# KiCad board ddr5-testboard.kicad_pcb (continued)
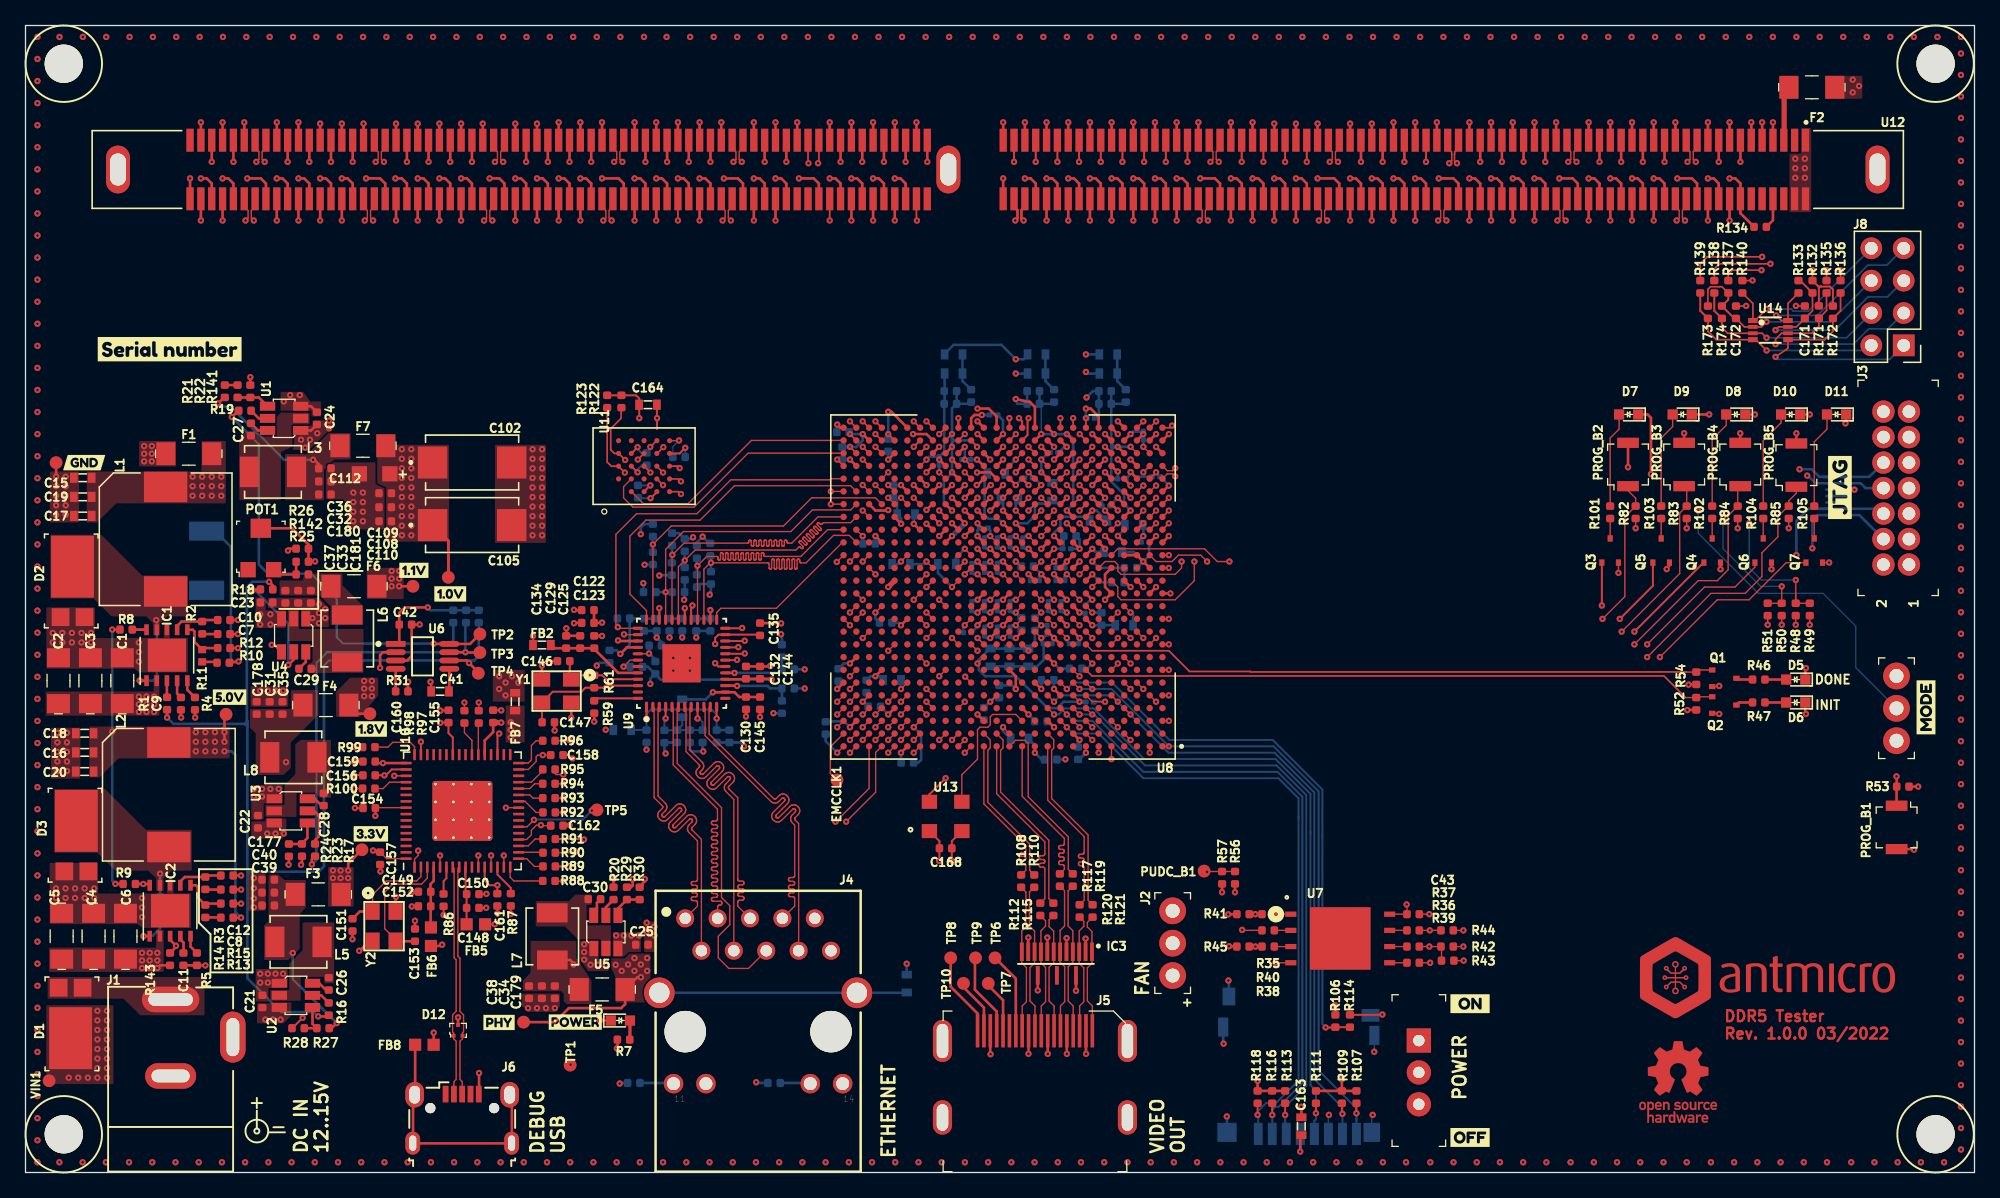
[diagram p0: board, top side]
## Footprints (pads in the part's own frame, mm; a bottom-side part is the same pattern mirrored in y, then rotated) (continued)
R-PDSO-N15
  rect 0.3x1.45 smd: 1(-2.75,-1.75) 2(-2.25,-1.75) 3(-1.75,-1.75) 4(-1.25,-1.75) 5(-0.75,-1.75) 6(-0.25,-1.75) 7(0.25,-1.75) 8(0.75,-1.75) 9(1.25,-1.75) 10(1.75,-1.75) 11(2.25,-1.75) 12(2.75,-1.75) 13(1.5,0.1) 14(0,0.1) 15(-1.5,0.1)
S25FL128SAGNFI000
  rect 0.864x0.406 smd: 1(-3.873,1.905) 2(-3.873,0.635) 3(-3.873,-0.635) 4(-3.873,-1.905) 5(3.873,-1.905) 6(3.873,-0.635) 7(3.873,0.635) 8(3.873,1.905)
  rect 4.75x4.902 smd: 9(0,0)
SC70-3
  rect 0.5x0.4 smd: 1(-0.95,0.65) 2(-0.95,-0.65) 3(0.95,0)
SOT-3
  rect 0.3x0.3 smd: 1(-0.35,-0.425) 2(0.35,-0.425) 3(0,0.425)
SRP4020
  rect 1.5x2.4 smd: 1(-1.85,0) 2(1.85,0)
Switch_Slide_11.6x4mm_EG1218
  rect 1.9x1.9 hole 0.9: 1(0,0)
  round 1.9 hole 0.9: 2(2.5,0) 3(5,0)
Switch_Tactile_SMD_B3U-1000P
  rect 0.8x1.7 smd: 1(-1.7,0) 2(1.7,0)
Testpoint_smd_1mm
  round 1 smd: 1(0,0.051)
TPD6E05U06
  rect 0.2x0.5 smd: 5(0.5,-0.625) 8(1.5,-0.625) 8(1.5,0.625) 9(1,-0.625) 9(1,0.625) 10(0.5,0.625) 11(0,-0.625) 11(0,0.625) 12(-0.5,-0.625) 12(-0.5,0.625) 13(-1,-0.625) 13(-1,0.625) 14(-1.5,-0.625) 14(-1.5,0.625)
Trimpot_3.8mmx3.6mm_TC33X-2-103E
  rect 1.2x1.2 smd: 1(-1,-1.8) 3(1,-1.8)
  rect 1.6x1.5 smd: 2(0,1.45)
TSOT23-6
  rect 0.7x1.2 smd: 1(-0.95,-1.3) 2(0,-1.3) 3(0.95,-1.3) 4(0.95,1.3) 5(0,1.3) 6(-0.95,1.3)
USB_Micro_B_Female_629105150521
  oval 0.8x0.8 hole 0.8 unplated: (-2.5,0.8) (2.5,0.8)
  rect 0.45x1.3 smd: 1(-1.3,1.9) 2(-0.65,1.9) 3(0,1.9) 4(0.65,1.9) 5(1.3,1.9)
  oval 1.15x1.8 hole 0.55x1.2: 6(-3.875,-1.95) 6(3.875,-1.95)
  oval 1.45x2 hole 0.85x1.4: 6(-3.725,1.85) 6(3.725,1.85)
VSSOP8-Texas_Instruments-DGK0008A
  rect 1.557x0.458 smd: 1(-2.101,0.975)
  rrect 1.557x0.458 smd: 2(-2.101,0.325) 3(-2.101,-0.325) 4(-2.101,-0.975) 5(2.101,-0.975) 6(2.101,-0.325) 7(2.101,0.325) 8(2.101,0.975)
VSSOP-8
  rect 0.75x0.4 smd: 1(-1.375,0.75) 4(-1.375,-0.75) 5(1.375,-0.75) 8(1.375,0.75)
  rect 0.75x0.3 smd: 2(-1.375,0.25) 3(-1.375,-0.25) 6(1.375,-0.25) 7(1.375,0.25)
WE_7447798720
  rect 2.4x3.4 smd: 1(-4.1,0) 2(4.1,0)
WSON-10_4x4
  rect 0.85x0.356 smd: 1(-2,1.6) 2(-2,0.8) 3(-2,0) 4(-2,-0.8) 5(-2,-1.6) 6(2,-1.6) 7(2,-0.8) 8(2,0) 9(2,0.8) 10(2,1.6)
  rect 2.6x3 smd: 11(0,0)

## Nets
1V0_SYS: 1V0.1 C47.1 C51.1 C55.1 C59.1 C63.1 C66.1 C70.1 C74.1 C78.1 C81.1 C84.1 C88.1 C92.1 C96.1 C100.1 C102.1 C105.1 C108.1 C109.1 C110.1 C112.1 C114.1 C116.1 C118.1 F7.2 R137.2 U8.J9 U8.K8 U8.K10 U8.K12 U8.K14 U8.L9 U8.L13 U8.L15 U8.M8 U8.M14 U8.N9 U8.N13 U8.N15 U8.P14 U8.R13 U8.R15 U8.T12 U8.T14 U8.U13 U8.U15
1V1_SYS: 1V1.1 C49.1 C53.1 C57.1 C61.1 C65.1 C69.1 C73.1 C77.1 C83.1 C87.1 C91.1 C95.1 C98.1 C104.1 F6.2 R124.1 R127.2 R128.1 R131.2 R159.1 R161.2 U8.AA1 U8.AA11 U8.AB8 U8.AB18 U8.AC5 U8.AC15 U8.AD2 U8.AD12 U8.AE9 U8.AE19 U8.AF6 U8.AF16 U8.B18 U8.E19 U8.F16 U8.H20 U8.J17 U8.K24 U8.M18 U8.N25 U8.P22 U8.R19 U8.T16 U8.T26 U8.U3 U8.V10 U8.W7 U8.W17 U8.Y4 U8.Y14
1V2_SYS: C122.1 C123.1 C124.1 C126.1 C130.1 C135.1 C139.1 C142.1 C145.1 F5.2 FB2.2 FB3.2 PHY1.1 U9.14 U9.18 U9.23 U9.26 U9.30 U9.39
1V8_FT: C155.1 C157.1 C159.1 C161.1 FB7.1 U10.12 U10.37 U10.49 U10.64
1V8_SYS: 1V8.1 C48.1 C52.1 C56.1 C60.1 C64.1 C67.1 C71.1 C75.1 C79.1 C82.1 C85.1 C89.1 C93.1 C97.1 C103.1 C106.1 F4.2 FB7.2 U8.E8 U8.L11 U8.M10 U8.M12 U8.P8 U8.P10 U8.R9 U8.T8 U8.T10 U8.U11
3V3_SYS: 3V3.1 C43.1 C44.1 C45.1 C46.1 C50.1 C54.1 C58.1 C62.1 C68.1 C72.1 C76.1 C80.1 C86.1 C90.1 C94.1 C99.1 C101.1 C107.1 C111.1 C113.1 C115.1 C117.1 C119.1 C120.1 C121.1 C127.1 C132.1 C137.1 C141.1 C144.1 C154.1 C156.1 C158.1 C160.1 C162.1 C163.1 C164.1 C165.1 C166.1 C167.1 C168.1 D5.1 D6.1 D7.1 D8.1 D9.1 D10.1 D11.1 F2.1 F3.2 FB1.1 FB5.1 FB6.1 IC3.13 IC3.15 J3.2 J7.4 MODE1.3 PWR1.1 R41.2 R42.1 R44.1 R45.1 R48.2 R50.2 R52.1 R53.1 R54.1 R55.1 R56.1 R58.2 R60.2 R62.2 R63.2 R64.2 R65.2 R66.2 R67.2 R68.2 R69.2 R70.2 R71.2 R72.2 R82.1 R83.1 R84.1 R85.1 R87.1 R106.1 R107.1 R109.1 R111.1 R113.1 R116.1 R118.1 R122.1 R123.1 R132.2 R171.1 R172.1 U7.8 U8.A11 U8.A21 U8.AA21 U8.AC25 U8.AD22 U8.AF26 U8.B8 U8.C15 U8.C25 U8.D12 U8.D22 U8.E9 U8.F26 U8.G13 U8.G23 U8.H10 U8.L7 U8.L21 U8.T6 U8.U23 U8.V20 U8.Y24 U9.16 U9.34 U9.40 U10.20 U10.31 U10.42 U10.50 U10.56 U11.B4 U11.D1 U11.E4 U13.1 U13.4
/Ethernet/AVDDH: C128.1 C133.1 C138.1 FB1.2 U9.1 U9.12
/Ethernet/AVDDL: C131.1 C136.1 C140.1 C143.1 FB3.1 U9.4 U9.9
/Ethernet/AVDDL_PLL: C125.1 C129.1 C134.1 FB2.1 U9.44
/FPGA banks 16-34/GND_: J8.8 R140.1 U14.1
/Supply/VCC_AUX_EN: R17.2 R33.2 TP3.1 U6.7
/Supply/VCC_INT_EN: R19.2 R32.2 TP2.1 U6.8
/Supply/VCC_IO_EN: R1.2 R16.2 R18.2 R20.2 R34.2 TP4.1 U6.6
GND: C1.2 C2.2 C3.2 C4.2 C5.2 C6.2 C7.2 C8.2 C9.2 C10.2 C11.2 C12.2 C15.2 C16.2 C17.2 C18.2 C19.2 C20.2 C21.2 C22.2 C23.2 C24.2 C25.2 C31.2 C32.2 C33.2 C34.2 C35.2 C36.2 C37.2 C38.2 C39.2 C40.2 C41.1 C42.2 C43.2 C44.2 C45.2 C46.2 C47.2 C48.2 C49.2 C50.2 C51.2 C52.2 C53.2 C54.2 C55.2 C56.2 C57.2 C58.2 C59.2 C60.2 C61.2 C62.2 C63.2 C64.2 C65.2 C66.2 C67.2 C68.2 C69.2 C70.2 C71.2 C72.2 C73.2 C74.2 C75.2 C76.2 C77.2 C78.2 C79.2 C80.2 C81.2 C82.2 C83.2 C84.2 C85.2 C86.2 C87.2 C88.2 C89.2 C90.2 C91.2 C92.2 C93.2 C94.2 C95.2 C96.2 C97.2 C98.2 C99.2 C100.2 C101.2 C102.2 C103.2 C104.2 C105.2 C106.2 C107.2 C108.2 C109.2 C110.2 C111.2 C112.2 C113.2 C114.2 C115.2 C116.2 C117.2 C118.2 C119.2 C120.2 C121.2 C122.2 C123.2 C124.2 C125.2 C126.2 C127.2 C128.2 C129.2 C130.2 C131.2 C132.2 C133.2 C134.2 C135.2 C136.2 C137.2 C138.2 C139.2 C140.2 C141.2 C142.2 C143.2 C144.2 C145.2 C146.2 C147.2 C148.2 C149.2 C150.2 C151.2 C152.2 C153.2 C154.2 C155.2 C156.2 C157.2 C158.2 C159.2 C160.2 C161.2 C162.2 C163.2 C164.2 C165.2 C166.2 C167.2 C168.2 C169.2 C170.2 C171.2 C172.2 C173.2 C174.2 C175.2 C176.2 C177.2 C178.2 C179.2 C180.2 C181.2 D2.A D3.A D4.5 D4.10 D12.3 FB4.2 FB8.1 GND1.1 IC1.8 IC1.11 IC2.8 IC2.11 IC3.2 IC3.5 IC3.8 IC3.11 J1.2 J1.3 J2.3 J3.1 J3.3 J3.5 J3.7 J3.9 J3.11 J3.13 J4.10 J5.2 J5.5 J5.8 J5.11 J5.17 J5.SH J6.5 J7.6 J7.10 MODE1.1 PROG_B1.2 PROG_B2.2 PROG_B3.2 PROG_B4.2 PROG_B5.2 Q1.2 Q2.2 Q3.2 Q4.2 Q5.2 Q6.2 Q7.2 R4.1 R5.1 R7.2 R12.2 R15.2 R24.2 R26.2 R28.2 R30.2 R31.2 R43.2 R49.2 R51.2 R57.2 R59.1 R73.2 R74.2 R75.2 R76.2 R77.2 R78.2 R79.2 R80.2 R81.2 R86.1 R125.2 R126.2 R129.2 R130.2 R134.1 R140.2 R141.2 R160.2 R162.2 S1.3 U1.1 U2.1 U3.1 U4.1 U5.1 U6.3 U7.4 U8.A1 U8.A2 U8.A5 U8.A6 U8.A7 U8.A16 U8.A26 U8.AA6 U8.AA16 U8.AA26 U8.AB3 U8.AB13 U8.AB23 U8.AC10 U8.AC20 U8.AD7 U8.AD17 U8.AE4 U8.AE14 U8.AE24 U8.AF1 U8.AF11 U8.AF21 U8.B4 U8.B7 U8.B13 U8.B23 U8.C1 U8.C5 U8.C7 U8.C10 U8.C20 U8.D4 U8.D7 U8.D17 U8.E1 U8.E2 U8.E5 U8.E7 U8.E14 U8.E24 U8.F3 U8.F4 U8.F7 U8.F11 U8.F21 U8.G1 U8.G5 U8.G8 U8.G18 U8.H4 U8.H7 U8.H15 U8.H25 U8.J1 U8.J2 U8.J5 U8.J12 U8.J22 U8.K3 U8.K4 U8.K7 U8.K9 U8.K11 U8.K13 U8.K19 U8.L1 U8.L5 U8.L10 U8.L12 U8.L14 U8.L16 U8.L26 U8.M4 U8.M7 U8.M9 U8.M11 U8.M13 U8.M15 U8.M23 U8.N1 U8.N2 U8.N5 U8.N7 U8.N10 U8.N11 U8.N12 U8.N14 U8.N20 U8.P3 U8.P4 U8.P9 U8.P11 U8.P12 U8.P13 U8.P15 U8.P17 U8.R1 U8.R2 U8.R5 U8.R8 U8.R10 U8.R11 U8.R12 U8.R14 U8.R24 U8.T1 U8.T3 U8.T4 U8.T9 U8.T11 U8.T13 U8.T15 U8.T21 U8.U8 U8.U10 U8.U12 U8.U14 U8.U18 U8.V5 U8.V15 U8.V25 U8.W2 U8.W12 U8.W22 U8.Y9 U8.Y19 U9.29 U9.49 U10.1 U10.5 U10.11 U10.13 U10.15 U10.25 U10.35 U10.47 U10.51 U10.65 U11.B3 U11.C1 U11.E5 U12.6 U12.8 U12.10 U12.13 U12.15 U12.17 U12.19 U12.21 U12.24 U12.26 U12.28 U12.30 U12.32 U12.35 U12.37 U12.39 U12.41 U12.43 U12.46 U12.48 U12.50 U12.52 U12.54 U12.57 U12.59 U12.61 U12.63 U12.65 U12.67 U12.69 U12.71 U12.73 U12.75 U12.77 U12.79 U12.81 U12.83 U12.85 U12.88 U12.90 U12.92 U12.95 U12.97 U12.99 U12.101 U12.103 U12.106 U12.108 U12.110 U12.112 U12.114 U12.117 U12.119 U12.121 U12.123 U12.125 U12.128 U12.130 U12.132 U12.134 U12.136 U12.139 U12.141 U12.143 U12.151 U12.153 U12.155 U12.158 U12.160 U12.162 U12.164 U12.166 U12.169 U12.171 U12.173 U12.175 U12.177 U12.180 U12.182 U12.184 U12.186 U12.188 U12.191 U12.193 U12.195 U12.197 U12.199 U12.202 U12.204 U12.206 U12.208 U12.210 U12.212 U12.214 U12.216 U12.219 U12.222 U12.224 U12.226 U12.228 U12.230 U12.233 U12.235 U12.237 U12.240 U12.242 U12.244 U12.246 U12.248 U12.251 U12.253 U12.255 U12.257 U12.259 U12.262 U12.264 U12.266 U12.268 U12.270 U12.273 U12.275 U12.277 U12.279 U12.281 U12.284 U12.286 U12.288 U13.2 Y1.2 Y1.4 Y2.2 Y2.4
VBUS: J6.1
VCC1V0: C32.1 C36.1 C180.1 F7.1 L3.2 R21.1
VCC1V1: C33.1 C37.1 C181.1 F6.1 L6.2 R25.2
VCC1V2: C34.1 C38.1 C179.1 F5.1 L7.2 R29.1
VCC1V8: C31.1 C35.1 C178.1 F4.1 L8.2 R23.1
VCC3V3: C39.1 C40.1 C177.1 F3.1 L5.2 R27.1
VCC5V0_INT: 5V0.1 C16.1 C18.1 C20.1 C21.1 C22.1 C23.1 C24.1 C25.1 C42.1 J2.1 L2.2 R8.1 R9.1 R13.1 R32.1 R33.1 R34.1 U1.3 U2.3 U3.3 U4.3 U5.3 U6.1
VCC12V0: C15.1 C17.1 C19.1 F1.1 L1.2 R6.2 R10.1
VIN: C1.1 C2.1 C3.1 C4.1 C5.1 C6.1 D1.C IC1.2 IC2.2 R6.1 R143.2 VIN1.1
VIN_BULK: F1.2 U12.1 U12.145 U12.146
VIN_MGMT: F2.2 U12.3
/Ethernet/ETH1_N: J4.2 U9.3
/Ethernet/ETH1_P: J4.1 U9.2
/Ethernet/ETH2_N: J4.6 U9.6
/Ethernet/ETH2_P: J4.3 U9.5
/Ethernet/ETH3_N: J4.5 U9.8
/Ethernet/ETH3_P: J4.4 U9.7
/Ethernet/ETH4_N: J4.8 U9.11
/Ethernet/ETH4_P: J4.7 U9.10
/FPGA banks 16-34/EN: J8.7 R133.1 U14.8
/FPGA banks 16-34/SCL1: J8.4 R138.1 R174.2 U14.3
/FPGA banks 16-34/SCL2: J8.3 R135.2 R171.2 U14.6
/FPGA banks 16-34/SDA1: J8.2 R139.1 R173.2 U14.4
/FPGA banks 16-34/SDA2: J8.1 R136.2 R172.2 U14.5
/FPGA banks 16-34/VREF1: C172.1 J8.6 R137.1 R173.1 R174.1 U14.2
/FPGA banks 16-34/VREF2: C171.1 J8.5 R132.1 R133.2 U14.7
/Supply/SYS_EN: IC2.3 R143.1 S1.2 TP1.1
ALERT_N: U8.AF2 U12.62
AUX_JTAG_RST: R96.2 U8.G25
AUX_JTAG_TCK: R92.2 U8.C24
AUX_JTAG_TDI: R93.2 U8.D24
AUX_JTAG_TDO: R94.2 U8.C26
AUX_JTAG_TMS: R95.2 U8.D25
C_TMDS_CLK_N: IC3.12 J5.12 R108.2
C_TMDS_CLK_P: IC3.10 J5.10 R110.2
C_TMDS_D0_N: IC3.9 J5.9 R112.2
C_TMDS_D0_P: IC3.7 J5.7 R115.2
C_TMDS_D1_N: IC3.6 J5.6 R117.2
C_TMDS_D1_P: IC3.4 J5.4 R119.2
C_TMDS_D2_N: IC3.3 J5.3 R120.2
C_TMDS_D2_P: IC3.1 J5.1 R121.2
CA0_A: U8.V7 U12.66
CA0_B: U8.AF8 U12.76
CA1_A: U8.Y7 U12.211
CA1_B: U8.AE8 U12.221
CA2_A: U8.Y8 U12.68
CA2_B: U8.AF9 U12.78
CA3_A: U8.V8 U12.213
CA3_B: U8.AF10 U12.223
CA4_A: U8.W11 U12.70
CA4_B: U8.AE10 U12.80
CA5_A: U8.V11 U12.215
CA5_B: U8.AD10 U12.225
CA6_A: U8.Y10 U12.72
CA6_B: U8.AE13 U12.82
CB0_A: U8.AB7 U12.51
CB0_B: U8.AD13 U12.96
CB1_A: U8.AC7 U12.53
CB1_B: U8.AA12 U12.98
CB2_A: U8.AA7 U12.196
CB2_B: U8.AC13 U12.241
CB3_A: U8.AB9 U12.198
CB3_B: U8.AA13 U12.243
CB4_A: U8.AE7 U12.58
CB4_B: U8.AB10 U12.89
CB5_A: U8.AA8 U12.60
CB5_B: U8.AD11 U12.91
CB6_A: U8.AF7 U12.203
CB6_B: U8.AA10 U12.234
CB7_A: U8.AA9 U12.205
CB7_B: U8.Y12 U12.236
CCLK: R36.2 R42.2 R43.1 U8.C8
CFGBVS: R55.2 U8.P7
CK_N: U8.AD9 U12.218
CK_P: U8.AC9 U12.217
CS0_A_N: U8.AA2 U12.64
CS0_B_N: U8.AC11 U12.84
CS1_A_N: U8.AA3 U12.209
CS1_B_N: U8.AB11 U12.229
DBG_USB_N: D12.1 J6.2 U10.7
DBG_USB_P: D12.2 J6.3 U10.8
DLBDQ: U8.AB16 U12.86
DLBDQS: U8.AC16 U12.87
DONE: Q1.1 R54.2 U8.J7
DQ0_A: U8.U6 U12.7
DQ0_B: U8.AF14 U12.100
DQ1_A: U8.U5 U12.9
DQ1_B: U8.AE15 U12.102
DQ2_A: U8.U7 U12.152
DQ2_B: U8.AF15 U12.245
DQ3_A: U8.V6 U12.154
DQ3_B: U8.AF17 U12.247
DQ4_A: U8.U1 U12.14
DQ4_B: U8.AE17 U12.107
DQ5_A: U8.V3 U12.16
DQ5_B: U8.AD15 U12.109
DQ6_A: U8.U2 U12.159
DQ6_B: U8.AF19 U12.252
DQ7_A: U8.W3 U12.161
DQ7_B: U8.AF20 U12.254
DQ8_A: U8.V1 U12.18
DQ8_B: U8.AC14 U12.111
DQ9_A: U8.W1 U12.20
DQ9_B: U8.AA14 U12.113
DQ10_A: U8.V2 U12.163
DQ10_B: U8.AD14 U12.256
DQ11_A: U8.Y1 U12.165
DQ11_B: U8.AA15 U12.258
DQ12_A: U8.Y2 U12.25
DQ12_B: U8.AB14 U12.118
DQ13_A: U8.Y3 U12.27
DQ13_B: U8.AA17 U12.120
DQ14_A: U8.AB2 U12.170
DQ14_B: U8.AB15 U12.263
DQ15_A: U8.AC2 U12.172
DQ15_B: U8.AA18 U12.265
DQ16_A: U8.Y5 U12.29
DQ16_B: U8.AD18 U12.122
DQ17_A: U8.AA4 U12.31
DQ17_B: U8.AD19 U12.124
DQ18_A: U8.Y6 U12.174
DQ18_B: U8.AC17 U12.267
DQ19_A: U8.AB4 U12.176
DQ19_B: U8.AC18 U12.269
DQ20_A: U8.AB6 U12.36
DQ20_B: U8.AB17 U12.129
DQ21_A: U8.AC4 U12.38
DQ21_B: U8.AA19 U12.131
DQ22_A: U8.AC3 U12.181
DQ22_B: U8.AC19 U12.274
DQ23_A: U8.AC6 U12.183
DQ23_B: U8.AA20 U12.276
DQ24_A: U8.AE3 U12.40
DQ24_B: U8.AB20 U12.133
DQ25_A: U8.AE2 U12.42
DQ25_B: U8.Y17 U12.135
DQ26_A: U8.AD1 U12.185
DQ26_B: U8.W15 U12.278
DQ27_A: U8.AE1 U12.187
DQ27_B: U8.W16 U12.280
DQ28_A: U8.AD4 U12.47
DQ28_B: U8.V19 U12.140
DQ29_A: U8.AD5 U12.49
DQ29_B: U8.V17 U12.142
DQ30_A: U8.AE5 U12.192
DQ30_B: U8.V18 U12.285
DQ31_A: U8.AE6 U12.194
DQ31_B: U8.V16 U12.287
DQS0_A_N: U8.W5 U12.12
DQS0_A_P: U8.W6 U12.11
DQS0_B_N: U8.AF18 U12.105
DQS0_B_P: U8.AE18 U12.104
DQS1_A_N: U8.AC1 U12.23
DQS1_A_P: U8.AB1 U12.22
DQS1_B_N: U8.Y16 U12.116
DQS1_B_P: U8.Y15 U12.115
DQS2_A_N: U8.AB5 U12.34
DQS2_A_P: U8.AA5 U12.33
DQS2_B_N: U8.AE20 U12.127
DQS2_B_P: U8.AD20 U12.126
DQS3_A_N: U8.AF4 U12.45
DQS3_A_P: U8.AF5 U12.44
DQS3_B_N: U8.W19 U12.138
DQS3_B_P: U8.W18 U12.137
DQS4_A_N: U8.AD8 U12.56
DQS4_A_P: U8.AC8 U12.55
DQS4_B_N: U8.AE12 U12.238
DQS4_B_P: U8.AF12 U12.239
DQS5_A_N: U8.A17 U12.156
DQS5_A_P: U8.B17 U12.157
DQS5_B_N: U8.R17 U12.249
DQS5_B_P: U8.R16 U12.250
DQS6_A_N: U8.D20 U12.167
DQS6_A_P: U8.D19 U12.168
DQS6_B_N: U8.P20 U12.260
DQS6_B_P: U8.P19 U12.261
DQS7_A_N: U8.L20 U12.178
DQS7_A_P: U8.L19 U12.179
DQS7_B_N: U8.T25 U12.271
DQS7_B_P: U8.T24 U12.272
DQS8_A_N: U8.J16 U12.189
DQS8_A_P: U8.J15 U12.190
DQS8_B_N: U8.L25 U12.282
DQS8_B_P: U8.M25 U12.283
DQS9_A_N: U8.W9 U12.200
DQS9_A_P: U8.W10 U12.201
DQS9_B_N: U8.AB12 U12.94
DQS9_B_P: U8.AC12 U12.93
EMCCLK: EMCCLK1.1 U8.B26
ETH_INT_N: U8.Y20 U9.38
ETH_MDC: U8.AA25 U9.36
ETH_MDIO: R71.1 U8.AB26 U9.37
ETH_REF_CLK: R68.1 R79.1 U8.AA23 U9.41
ETH_RSTN: R72.1 U8.AA22 U9.42
ETH_RX_CLK: R67.1 R78.1 U8.Y23 U9.35
ETH_RX_DV: R66.1 R77.1 U8.Y25 U9.33
ETH_RXD0: R62.1 R73.1 U8.W26 U9.32
ETH_RXD1: R63.1 R74.1 U8.W25 U9.31
ETH_RXD2: R64.1 R75.1 U8.V26 U9.28
ETH_RXD3: R65.1 R76.1 U8.U25 U9.27
ETH_TX_CLK: U8.AA24 U9.24
ETH_TX_EN: U8.U26 U9.25
ETH_TXD0: U8.W24 U9.19
ETH_TXD1: U8.Y26 U9.20
ETH_TXD2: U8.Y22 U9.21
ETH_TXD3: U8.Y21 U9.22
FCS_B: R35.2 R41.1 U8.C23
GCLK100: U8.C12 U13.3
HR_CKN: U8.AE26 U11.B1
HR_CKP: U8.AD26 U11.B2
HR_CS: R123.2 U8.AC26 U11.A3
HR_DQ0: U8.AE23 U11.D3
HR_DQ1: U8.AD25 U11.D2
HR_DQ2: U8.AF24 U11.C4
HR_DQ3: U8.AE22 U11.D4
HR_DQ4: U8.AF23 U11.D5
HR_DQ5: U8.AF25 U11.E3
HR_DQ6: U8.AE25 U11.E2
HR_DQ7: U8.AD24 U11.E1
HR_RST: R122.2 U8.AC24 U11.A4
HR_RW: U8.AD23 U11.C3
HSCL: R138.2 U12.4
HSDA: R139.2 U12.5
INIT_B: Q2.1 R52.2 U8.G7
LED_LINK: J4.12 R70.1 R81.1 U9.17
LED_SPD: J4.14 R69.1 R80.1 U9.15
MODE0: R48.1 R49.1 U8.T5
MODE1: R50.1 R51.1 U8.T2
MODE2: MODE1.2 U8.P5
PAR_A: U8.Y11 U12.74
PAR_B: U8.AF13 U12.227
PCAMP: U12.147
PROGRAM_B: PROG_B1.1 R53.2 U8.P6
PUDC_B: PUDC_B1.1 R56.2 R57.1 U8.B25
QSPI_DQ0: R39.2 U8.B24
QSPI_DQ1: R40.2 U8.A25
QSPI_DQ2: R38.2 R45.2 U8.B22
QSPI_DQ3: R37.2 R44.2 U8.A22
RESET_N: U8.AF3 U12.207
SCL_3V3: R135.1 U8.E25
SD_CD: R106.2 R114.1 U8.F9
SD_CLK: J7.5 R111.2 U8.D10
SD_CMD: J7.3 R113.2 U8.D8
SD_DAT0: J7.7 R109.2 U8.E10
SD_DAT1: J7.8 R107.2 U8.F8
SD_DAT2: J7.1 R118.2 U8.C9
SD_DAT3: J7.2 R116.2 U8.D9
SDA_3V3: R136.1 U8.D26
SYS_ON: IC2.10 R9.2 U6.2
TCK_JTAG: D4.13 J3.6 R88.2 U8.L8
TDI_JTAG: D4.8 J3.10 R89.2 U8.R6
TDO_JTAG: D4.9 J3.8 R90.2 U8.R7
TMDS_CLK_N: R108.1 U8.A15
TMDS_CLK_P: R110.1 U8.B15
TMDS_D0_N: R112.1 U8.A14
TMDS_D0_P: R115.1 U8.B14
TMDS_D1_N: R117.1 U8.A12
TMDS_D1_P: R119.1 U8.A13
TMDS_D2_N: R120.1 U8.A10
TMDS_D2_P: R121.1 U8.B10
TMS_JTAG: D4.14 J3.4 R91.2 U8.N8
UART0_RX: R97.2 U8.F25
UART0_TX: R98.2 U8.E26
UART1_RX: R99.2 U8.A24
UART1_TX: R100.2 U8.A23
USR_BTN1: PROG_B2.1 R82.2 U8.C21
USR_BTN2: PROG_B3.1 R83.2 U8.A20
USR_BTN3: PROG_B4.1 R84.2 U8.E21
USR_BTN4: PROG_B5.1 R85.2 U8.D23
USR_LED1: Q3.1 U8.D21
USR_LED2: Q5.1 U8.B20
USR_LED3: Q4.1 U8.B21
USR_LED4: Q6.1 U8.C22
USR_LED5: Q7.1 U8.E22
VREF_32: C173.1 C174.1 FB9.2 U8.AE16 U8.Y18
VREF_33: C175.1 C176.1 FB10.2 U8.AE11 U8.W8
VREF_34: C169.1 C170.1 FB11.2 U8.AD3 U8.W4
VRN_32: R127.1 U8.V13
VRN_33: R131.1 U8.U9
VRN_34: R161.1 U8.U4
VRP_32: R126.1 U8.W13
VRP_33: R130.1 U8.V12
VRP_34: R162.1 U8.T7
Net-(C7-Pad1): C7.1 R2.2
Net-(C8-Pad1): C8.1 R3.2
Net-(C9-Pad1): C9.1 IC1.4
Net-(C10-Pad1): C10.1 IC1.7 R2.1
Net-(C11-Pad1): C11.1 IC2.4
Net-(C12-Pad1): C12.1 IC2.7 R3.1
Net-(C13-Pad1): C13.1 D2.C IC1.9 L1.1
Net-(C13-Pad2): C13.2 IC1.1
Net-(C14-Pad1): C14.1 D3.C IC2.9 L2.1
Net-(C14-Pad2): C14.2 IC2.1
Net-(C26-Pad1): C26.1 L5.1 U2.2
Net-(C26-Pad2): C26.2 U2.6
Net-(C27-Pad1): C27.1 L3.1 U1.2
Net-(C27-Pad2): C27.2 U1.6
Net-(C28-Pad1): C28.1 L8.1 U3.2
Net-(C28-Pad2): C28.2 U3.6
Net-(C29-Pad1): C29.1 L6.1 U4.2
Net-(C29-Pad2): C29.2 U4.6
Net-(C30-Pad1): C30.1 L7.1 U5.2
Net-(C30-Pad2): C30.2 U5.6
Net-(C41-Pad2): C41.2 U6.5
Net-(C146-Pad1): C146.1 R61.1 U9.45 Y1.1
Net-(C147-Pad1): C147.1 R61.2 U9.46 Y1.3
Net-(C148-Pad1): C148.1 C150.1 FB5.2 U10.9
Net-(C149-Pad1): C149.1 C152.1 FB6.2 U10.4
Net-(C151-Pad1): C151.1 U10.2 Y2.1
Net-(C153-Pad1): C153.1 U10.3 Y2.3
Net-(D1-PadA): D1.A J1.1
Net-(D5-Pad2): D5.2 R46.1
Net-(D6-Pad2): D6.2 R47.1
Net-(D7-Pad2): D7.2 R101.1
Net-(D8-Pad2): D8.2 R102.1
Net-(D9-Pad2): D9.2 R103.1
Net-(D10-Pad2): D10.2 R104.1
Net-(D11-Pad2): D11.2 R105.1
Net-(FB4-Pad1): FB4.1 J4.Z1 J4.Z2
Net-(FB8-Pad2): FB8.2 J6.6
Net-(FB9-Pad1): FB9.1 R124.2 R125.1
Net-(FB10-Pad1): FB10.1 R128.2 R129.1
Net-(FB11-Pad1): FB11.1 R159.2 R160.1
Net-(IC1-Pad3): IC1.3 R1.1
Net-(IC1-Pad5): IC1.5 R4.2
Net-(IC1-Pad6): IC1.6 R11.2 R12.1
Net-(IC1-Pad10): IC1.10 R8.2
Net-(IC2-Pad5): IC2.5 R5.2
Net-(IC2-Pad6): IC2.6 R14.2 R15.1
Net-(J4-Pad11): J4.11 R58.1
Net-(J4-Pad13): J4.13 R60.1
Net-(J5-Pad13): J5.13 TP6.1
Net-(J5-Pad15): J5.15 TP7.1
Net-(J5-Pad16): J5.16 TP9.1
Net-(J5-Pad18): J5.18 TP10.1
Net-(J5-Pad19): J5.19 TP8.1
Net-(J7-Pad9): J7.9 R114.2
Net-(POT1-Pad2): POT1.2 R26.1 R142.2 U4.4
Net-(POT1-Pad3): POT1.3 R25.1 R142.1
Net-(PWR1-Pad2): PWR1.2 R7.1
Net-(Q1-Pad3): Q1.3 R46.2
Net-(Q2-Pad3): Q2.3 R47.2
Net-(Q3-Pad3): Q3.3 R101.2
Net-(Q4-Pad3): Q4.3 R102.2
Net-(Q5-Pad3): Q5.3 R103.2
Net-(Q6-Pad3): Q6.3 R104.2
Net-(Q7-Pad3): Q7.3 R105.2
Net-(R10-Pad2): R10.2 R11.1
Net-(R13-Pad2): R13.2 R14.1
Net-(R16-Pad1): R16.1 U2.5
Net-(R17-Pad1): R17.1 U3.5
Net-(R18-Pad1): R18.1 U4.5
Net-(R19-Pad1): R19.1 U1.5
Net-(R20-Pad1): R20.1 U5.5
Net-(R21-Pad2): R21.2 R22.1
Net-(R23-Pad2): R23.2 R24.1 U3.4
Net-(R27-Pad2): R27.2 R28.1 U2.4
Net-(R29-Pad2): R29.2 R30.1 U5.4
Net-(R31-Pad1): R31.1 U6.4
Net-(R35-Pad1): R35.1 U7.1
Net-(R36-Pad1): R36.1 U7.6
Net-(R37-Pad1): R37.1 U7.7
Net-(R38-Pad1): R38.1 U7.3
Net-(R39-Pad1): R39.1 U7.5
Net-(R40-Pad1): R40.1 U7.2
Net-(R59-Pad2): R59.2 U9.48
Net-(R86-Pad2): R86.2 U10.6
Net-(R87-Pad2): R87.2 U10.14
Net-(R88-Pad1): R88.1 U10.16
Net-(R89-Pad1): R89.1 U10.17
Net-(R90-Pad1): R90.1 U10.18
Net-(R91-Pad1): R91.1 U10.19
Net-(R92-Pad1): R92.1 U10.26
Net-(R93-Pad1): R93.1 U10.27
Net-(R94-Pad1): R94.1 U10.28
Net-(R95-Pad1): R95.1 U10.29
Net-(R96-Pad1): R96.1 U10.32
Net-(R97-Pad1): R97.1 U10.38
Net-(R98-Pad1): R98.1 U10.39
Net-(R99-Pad1): R99.1 U10.48
Net-(R100-Pad1): R100.1 U10.52
Net-(R134-Pad2): R134.2 U12.148
Net-(R141-Pad1): R22.2 R141.1 U1.4
Net-(TP5-Pad1): TP5.1 U10.22

Pads without a net: D4 11 12; IC3 14; J2 2; J3 12 14; J4 9; J5 14; J6 4; J7 ~; POT1 1; S1 1; U7 9; U8 A3 A4 A8 A9 A18 A19 AB19 AB21 AB22 AB24 AB25 AC21 AC22 AC23 AD6 AD16 AD21 AE21 AF22 B1 B2 B3 B5 B6 B9 B11 B12 B16 B19 C2 C3 C4 C6 C11 C13 C14 C16 C17 C18 C19 D1 D2 D3 D5 D6 D11 D13 D14 D15 D16 D18 E3 E4 E6 E11 E12 E13 E15 E16 E17 E18 E20 E23 F1 F2 F5 F6 F10 F12 F13 F14 F15 F17 F18 F19 F20 F22 F23 F24 G2 G3 G4 G6 G9 G10 G11 G12 G14 G15 G16 G17 G19 G20 G21 G22 G24 G26 H1 H2 H3 H5 H6 H8 H9 H11 H12 H13 H14 H16 H17 H18 H19 H21 H22 H23 H24 H26 J3 J4 J6 J8 J10 J11 J13 J14 J18 J19 J20 J21 J23 J24 J25 J26 K1 K2 K5 K6 K15 K16 K17 K18 K20 K21 K22 K23 K25 K26 L2 L3 L4 L6 L17 L18 L22 L23 L24 M1 M2 M3 M5 M6 M16 M17 M19 M20 M21 M22 M24 M26 N3 N4 N6 N16 N17 N18 N19 N21 N22 N23 N24 N26 P1 P2 P16 P18 P21 P23 P24 P25 P26 R3 R4 R18 R20 R21 R22 R23 R25 R26 T17 T18 T19 T20 T22 T23 U16 U17 U19 U20 U21 U22 U24 V4 V9 V14 V21 V22 V23 V24 W14 W20 W21 W23 Y13; U9 13 43 47; U10 10 21 23 24 30 33 34 36 40 41 43 44 45 46 53 54 55 57 58 59 60 61 62 63; U11 A2 A5 B5 C2 C5; U12 2 144 149 150 220 231 232 S1 S2 S3

## Via types
v1: diameter 0.5, hole 0.2, Top to Bottom, 1317 vias
v2: diameter 0.5, hole 0.2, Top to In1.Cu_GND, 40 vias
v3: diameter 0.5, hole 0.2, Top to In5.Cu, 84 vias
v4: diameter 0.5, hole 0.2, Top to In2.Cu, 122 vias

## Routing (per net, layer and track width the routed paths; a pad name or vN(x,y) marks a point on that pad's centre or on a via; arc(x,y) is an arc through that point)
1V0_SYS: length 39.1
  Top w0.127: R137.2 133.5,70.5 133.8,70.8 v1(136.1,70.8)
  Top w0.15: 33.06,49.66 31.91,50.81 ; 33.15,46.8 33.15,49.07
  Top w0.2: U8.K14 v1(75.64,41.94) ; U8.T14 v1(75.64,48.94) ; U8.L13 v1(76.64,42.94) ; U8.T12 v1(77.64,48.94) ; U8.K8 v1(82.64,41.94) ; U8.K10 v1(80.64,41.94) U8.J9 ; U8.R13 v1(76.64,47.94) ; U8.N13 v1(76.64,44.94) ; v1(81.64,44.94) U8.N9 ; 33.06,49.66 33.15,49.57 33.15,46.8 33.15,49.56 C102.1 ; U8.N15 v1(74.64,44.94) ; U8.M14 v1(75.64,43.94) ; U8.K12 v1(77.64,41.94) ; U8.U15 v1(74.64,49.94) ; U8.R15 v1(74.64,47.94) ; U8.M8 v1(82.64,43.94) ; U8.P14 v1(75.64,46.94) ; U8.L15 v1(74.64,42.94) ; U8.U13 v1(76.64,49.94) ; v1(81.64,42.94) U8.L9
  Bottom w0.2: C59.1 74.46,47.76 v1(74.64,47.94) ; v1(75.64,41.94) 75.37,41.94 75.19,42.12 ; v1(75.64,46.94) 75.46,47.12 C55.1 ; C66.1 76.37,47.94 v1(76.64,47.94) ; v1(76.64,49.94) 76.37,49.94 C70.1 ; C74.1 74.37,44.94 v1(74.64,44.94) ; v1(75.64,48.94) 75.37,48.94 C63.1 ; C78.1 75.37,43.94 v1(75.64,43.94) ; C92.1 77.37,41.94 v1(77.64,41.94) ; v1(76.64,42.94) 76.37,42.94 C88.1 ; C100.1 80.64,41.67 v1(80.64,41.94) ; v1(74.64,42.94) 74.64,42.85 C96.1 ; v1(77.64,48.94) 77.37,48.94 C51.1 ; C81.1 76.37,44.94 v1(76.64,44.94) ; 83.14,43.94 83.13,43.94 v1(82.64,43.94) 82.99,43.94 83.08,43.85 83.08,43.77 83.09,43.76 ; v1(82.64,41.94) 82.64,41.62 C118.1 ; C114.1 81.37,44.94 v1(81.64,44.94) ; C47.1 74.64,50.38 v1(74.64,49.94)
  vias: v1(29.5,56.75) v1(29.5,56) v1(29.5,55.25) v1(29.5,54.5) v1(29.5,53.75) v1(29.5,53) v1(29.5,52.25) v1(29.5,51.5) v1(29.5,50.75) v1(29.5,50) v1(30.25,56.75) v1(30.25,56) v1(30.25,55.25) v1(30.25,54.5) v1(30.25,53.75) v1(30.25,53) v1(30.25,52.25) v1(30.25,51.5) v1(30.25,50.75) v1(30.25,50)
1V1_SYS: length 49.5
  Top w0.1: U8.AD2 v1(87.64,56.94) ; U8.AB18 v1(71.64,54.94) ; U8.M18 v1(71.64,44.94) ; U8.U3 v1(87.64,49.94) ; U8.R19 v1(70.64,47.94) ; U8.T16 v1(73.64,48.94) ; U8.F16 v1(73.67,38.91) ; U8.J17 v1(72.64,41.94) ; U8.K24 v1(65.64,41.94) ; U8.H20 v1(70.64,39.94) ; U8.T26 v1(63.6,47.91) ; U8.V10 v1(79.64,49.94) ; U8.AD12 v1(77.64,55.94) ; U8.B18 v1(71.64,33.94) ; U8.N25 v1(65.64,44.94) ; U8.E19 v1(70.64,37.94)
  Top w0.127: U8.AB8 v1(82.64,54.94)
  Top w0.2: v1(79.64,53.94) U8.AA11 ; U8.AF16 74.14,59.19 74.39,59.44 v1(74.97,59.44) ; v1(83.14,59.94) 83.51,59.94 84.14,59.31 U8.AF6 ; U8.AA1 89.18,53.44 v1(89.64,53.9) ; U8.AE19 70.64,57.94 v1(69.59,57.94) ; U8.AE9 81.14,57.43 v1(81.63,56.94) ; v1(75.64,51.94) U8.Y14 ; U8.W17 v1(73.64,50.94) ; U8.AC15 v1(74.6,55.94) ; U8.Y4 v1(85.64,52.94) ; 30.25,46 29.25,46 ; U8.W7 v1(83.64,51.94) ; U8.AC5 85.63,54.95 v1(85.64,55)
  Top w0.4: v1(67.64,45.94) U8.P22
  Bottom w0.2: C49.1 72.94,48.24 v1(73.64,48.94) ; R131.2 84.76,51.16 83.98,51.94 v1(83.64,51.94) 83.71,51.86 ; v1(87.64,56.94) C61.1 ; C104.1 89.64,53.92 v1(89.64,53.9) 89.6,53.94 ; C57.1 73.64,50.94 v1(73.64,50.94) ; 80.96,56.44 81.46,56.94 v1(81.63,56.94) ; v1(85.64,55) 85.64,54.45 C77.1 ; v1(83.14,59.94) 83.14,59.24 C73.1 ; R124.1 72.06,64.24 72.76,64.94 76.51,64.94 v1(77.64,63.81) 78.26,63.81 78.56,64.11 R128.1 ; R161.2 87.64,50.76 v1(87.64,49.94) 87.46,49.76 C98.1 ; v1(70.64,47.94) 70.44,47.74 C53.1 ; v1(75.64,51.94) 75.64,52.01 ; v1(77.64,55.94) 76.81,55.11 R127.2 ; C95.1 85.02,52.32 v1(85.64,52.94) ; R159.1 v1(83.14,64.19) ; v1(74.97,59.44) C87.1 ; v1(71.64,54.94) C83.1 ; 79.56,53.86 v1(79.64,53.94) 79.08,54.5 C65.1 ; v1(74.6,55.94) C69.1
  vias: v1(28.7,47.2) v1(28.7,46.6) v1(28.7,46) v1(29.3,47.2) v1(29.3,46.6) v1(29.3,46)
1V2_SYS: length 32.1
  Top w0.15: 57.52,42.2 U9.23 54.33,42.2 54.07,41.94 v1(54.07,41.47) ; U9.30 v1(51.69,44.28) ; FB2.2 v1(39.79,42.09) ; U9.26 53.69,44.12 v1(53.69,44.13) ; v1(54.07,39.96) 54.32,39.7 U9.18
  Top w0.2: C145.1 55.96,37.31 55.59,37.68 54.89,37.68 U9.14 54.84,37.68 v1(53.89,37.68) ; C122.1 C123.1 45.18,43.13 v1(45.2,43.15) ; 47.99,41.73 U9.39 46.5,41.7 v1(46.45,41.75) ; v1(48.24,15.32) 47.97,15.32 F5.2 47.01,13.21 46.7,12.9 42.6,12.9 41.5,11.8 PHY1.1 39.1,11.85
  Bottom w0.2: v1(53.89,37.68) 53.33,37.13 FB3.2 ; C126.1 C142.1 53.69,44.12 v1(53.69,44.13) ; v1(51.69,44.28) 51.69,43.66 C139.1 C124.1
  vias: v1(46.27,16.3) v1(46.74,15.82) v1(47.24,16.32) v1(47.74,16.82) v1(47.74,15.82) v1(48.24,16.32) v1(48.74,16.82) v1(48.74,15.82)
1V8_FT: length 11.7
  Top w0.1: 27.54,32.13 C159.1 ; C157.1 28.31,24.63 29.77,24.63
  Top w0.15: 36,23.9 36,22.91 36.37,22.54 v1(37,22.54) 36.99,22.54 C161.1 ; v1(27.25,25.26) 27.37,25.14 C157.1
  Top w0.2: U10.49 v1(28.02,32.12) 27.54,32.12 C159.1 ; C155.1 36.66,34.56 36,33.9 U10.37
  Top w0.4: v1(37.3,35.3) C155.1
  vias: v1(38.04,35.34) v1(38.04,34.74) v1(38.04,34.14)
1V8_SYS: length 33.6
  Top w0.1: U8.U11 v1(78.64,49.94) ; U8.M12 v1(77.64,43.94) ; U8.L11 v1(79.64,42.94) ; U8.E8 v1(82.64,36.94) ; U8.M10 v1(80.64,43.94) ; U8.P8 v1(81.64,46.94)
  Top w0.2: F4.2 26.03,36 1V8.1 ; U8.R9 v1(81.64,47.94) U8.T8 ; U8.P10 v1(79.64,46.94) ; U8.T10 v1(80.64,48.94)
  Bottom w0.2: C48.1 77.66,43.94 v1(77.64,43.94) 77.37,43.94 C85.1 ; C93.1 81.46,46.76 v1(81.64,46.94) ; C97.1 80.06,42.94 v1(79.64,42.94) ; C79.1 80.37,43.94 v1(80.64,43.94) ; C89.1 78.37,49.94 v1(78.64,49.94) 78.62,49.95 ; v1(79.64,42.94) 79.55,42.94 C106.1 79.14,41.64 C64.1 C60.1 C103.1 75.61,41.11 74.74,40.24 74.74,39.44 75.24,38.94 77.64,38.94 80.14,36.44 80.89,36.44 81.39,36.94 v1(82.64,36.94) 82.66,36.91 C82.1 ; v1(79.64,42.94) 80.04,42.94 80.09,42.89 ; C52.1 79.64,46.95 v1(79.64,46.94) 79.46,46.76 C75.1 ; C56.1 81.4,49.02 C67.1 v1(80.64,48.94) ; v1(81.64,47.94) 81.46,47.76 C71.1
  vias: v1(26.55,38.58) v1(26.55,37.97) v1(26.55,37.38) v1(27.15,38.58) v1(27.15,37.97) v1(27.15,37.38) v1(37.14,38.94) v1(37.14,37.94) v1(37.64,38.44) v1(37.64,37.44) v1(38.14,38.94) v1(38.64,38.44)
3V3_SYS: length 153.9
  Top w0.1: 27.42,28.64 27.43,28.63 29.77,28.63 ; R50.2 v1(137.69,42.98) ; R48.2 v1(138.79,42.98) ; R82.1 v1(126.24,50.55) ; R83.1 v1(130.24,50.55) ; R84.1 v1(134.24,50.55) ; R85.1 v1(138.24,50.55) ; R42.1 v1(112.73,17.73) ; C162.1 40.45,27.22 v1(40.41,27.25) 40.06,27.25 39.66,26.86 39.66,26.5 39.29,26.13 38.6,26.13 ; R44.1 v1(112.73,19) ; U7.8 C43.1 108.3,21.01 v1(108.28,21.03) ; 38.6,31.63 39.43,31.63 40.04,32.25 40.04,32.63 40.16,32.75 v1(40.55,32.75) C158.1
  Top w0.127: R132.2 v1(140.1,70.8)
  Top w0.15: U9.34 v1(49.69,44.28) ; v1(51.72,56.87) 51.28,56.42 U11.E4 ; 49.52,53.42 49.02,52.92 ; 47.48,56.4 47.98,56.9 ; U13.1 71.65,26 C168.1 71.65,24.45 v1(71.64,24.44) ; v1(72.14,30.94) 70.87,29.67 U13.4 ; R171.1 140.6,69.36 ; 140.6,69.36 140.6,69.48 140.57,69.52 ; 140.6,69.36 140.6,69.43 140.69,69.52 140.78,69.52 ; 141.69,68 R172.1 141.7,69.29 141.48,69.52 140.78,69.52 ; C154.1 27.43,27.99 v1(27.43,27.98) ; v1(32.52,35.28) 32.54,35.3 C160.1 33.16,34.48 33.5,34.14 U10.42 ; FB5.1 36.78,19.47 v1(36.79,19.48) ; R106.1 102.69,13.1 v1(102.66,13.13) ; C156.1 28.13,31.17 v1(28.14,31.16) 28.25,31.16 28.71,31.63 29.77,31.63 ; R87.1 v1(38.05,20.28) ; v1(45.04,11.94) 45.05,11.93 PWR1.1 ; v1(48.12,59.19) 48.12,60.73 47.86,60.98 45.81,60.98 ; 140.78,69.52 140.57,69.52 ; 140.57,69.52 R132.2